# Altium PCB node24.PcbDoc (part 10 of 10) (continued)
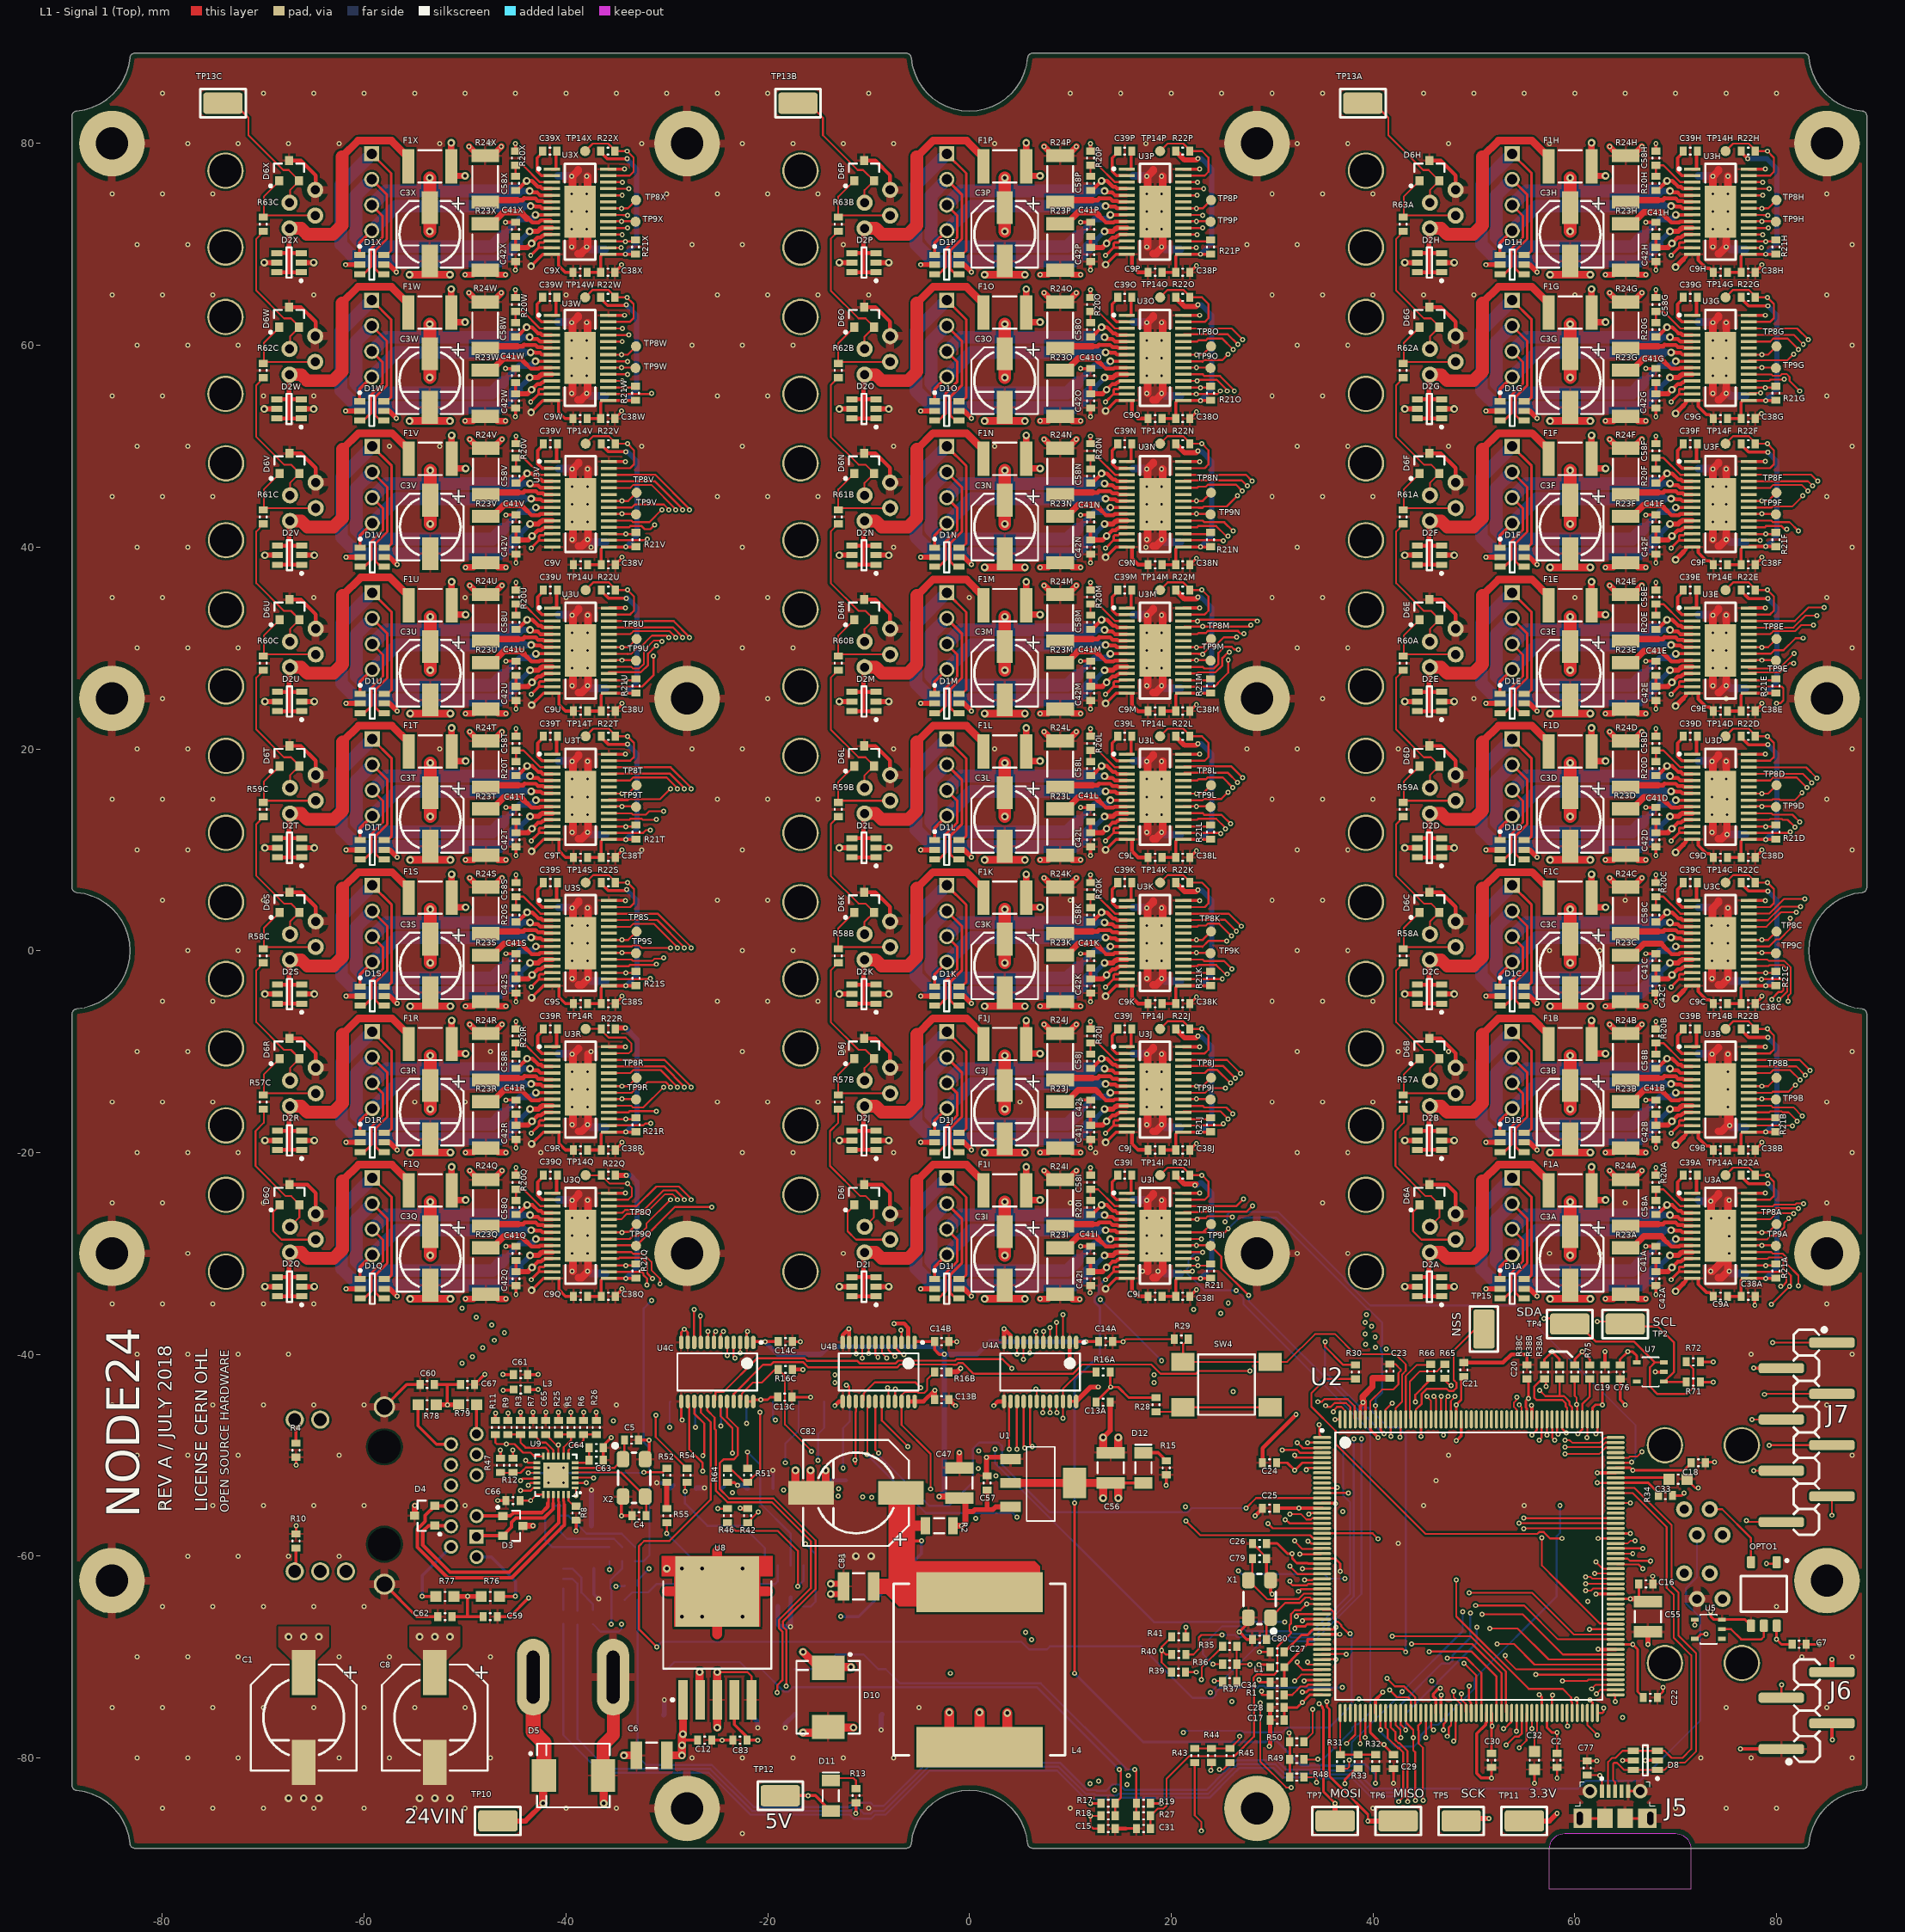
[diagram p0: L1 - Signal 1 (Top) view]
## Nets (pads, with @x,y where several pads share a name; then routed paths per layer and width w, separated by ;. In a path a pad name is that pad's centre, name@x,y a point inside that pad or via, vN(x,y) a via of type N, cw(c..) or ccw(c..) an arc to the next point about the centre after c; other vN are vias at no path point) (continued)
  L1 - Signal 1 (Top) w0.381: C58W.1@-45,60.85 -44.85,60.85 v2(-43.9,61.8) -43.368,61.8 -42.771,61.203 -42.539,61.203 -42.362,61.025 U3W.4@-41.4,61.025 ; C58X.1@-45,75.35 -44.85,75.35 v2(-43.9,76.3) -43.368,76.3 -42.771,75.703 -42.539,75.703 -42.362,75.525 U3X.4@-41.4,75.525 ; C58Q.1@-44.95,-26.15 -44.8,-26.15 v2(-43.85,-25.2) -43.318,-25.2 -42.721,-25.797 -42.489,-25.797 -42.312,-25.975 U3Q.4@-41.35,-25.975 ; C58R.1@-44.95,-11.65 -44.8,-11.65 v2(-43.85,-10.7) -43.318,-10.7 -42.721,-11.297 -42.489,-11.297 -42.312,-11.475 U3R.4@-41.35,-11.475 ; C58S.1@-44.95,2.85 -44.8,2.85 v2(-43.85,3.8) -43.318,3.8 -42.721,3.203 -42.489,3.203 -42.312,3.025 U3S.4@-41.35,3.025 ; C58T.1@-44.95,17.35 -44.8,17.35 v2(-43.85,18.3) -43.318,18.3 -42.721,17.703 -42.489,17.703 -42.312,17.525 U3T.4@-41.35,17.525 ; C58U.1@-44.95,31.85 -44.8,31.85 v2(-43.85,32.8) -43.318,32.8 -42.721,32.203 -42.489,32.203 -42.312,32.025 U3U.4@-41.35,32.025 ; C58V.1@-44.95,46.35 -44.8,46.35 v2(-43.85,47.3) -43.318,47.3 -42.721,46.703 -42.489,46.703 -42.312,46.525 U3V.4@-41.35,46.525 ; v2(-43.404,55.6) -42.829,56.175 -42.524,56.175 -42.354,56.346 -42.274,56.346 -42.144,56.475 U3W.11@-41.4,56.475 ; v2(-43.404,70.1) -42.829,70.675 -42.524,70.675 -42.354,70.846 -42.274,70.846 -42.144,70.975 U3X.11@-41.4,70.975 ; v2(-43.354,-31.4) -42.779,-30.825 -42.474,-30.825 -42.304,-30.654 -42.224,-30.654 -42.094,-30.525 U3Q.11@-41.35,-30.525 ; v2(-43.354,-16.9) -42.779,-16.325 -42.474,-16.325 -42.304,-16.154 -42.224,-16.154 -42.094,-16.025 U3R.11@-41.35,-16.025 ; v2(-43.354,-2.4) -42.779,-1.825 -42.474,-1.825 -42.304,-1.654 -42.224,-1.654 -42.094,-1.525 U3S.11@-41.35,-1.525 ; v2(-43.354,12.1) -42.779,12.675 -42.474,12.675 -42.304,12.846 -42.224,12.846 -42.094,12.975 U3T.11@-41.35,12.975 ; v2(-43.354,26.6) -42.779,27.175 -42.474,27.175 -42.304,27.346 -42.224,27.346 -42.094,27.475 U3U.11@-41.35,27.475 ; v2(-43.354,41.1) -42.779,41.675 -42.474,41.675 -42.304,41.846 -42.224,41.846 -42.094,41.975 U3V.11@-41.35,41.975 ; C58I.1@12,-26.15 12.15,-26.15 v2(13.1,-25.2) 13.632,-25.2 14.229,-25.797 14.461,-25.797 14.638,-25.975 U3I.4@15.6,-25.975 ; C58J.1@12,-11.65 12.15,-11.65 v2(13.1,-10.7) 13.632,-10.7 14.229,-11.297 14.461,-11.297 14.638,-11.475 U3J.4@15.6,-11.475 ; C58K.1@12,2.85 12.15,2.85 v2(13.1,3.8) 13.632,3.8 14.229,3.203 14.461,3.203 14.638,3.025 U3K.4@15.6,3.025 ; C58L.1@12,17.35 12.15,17.35 v2(13.1,18.3) 13.632,18.3 14.229,17.703 14.461,17.703 14.638,17.525 U3L.4@15.6,17.525 ; C58M.1@12,31.85 12.15,31.85 v2(13.1,32.8) 13.632,32.8 14.229,32.203 14.461,32.203 14.638,32.025 U3M.4@15.6,32.025 ; C58N.1@12,46.35 12.15,46.35 v2(13.1,47.3) 13.632,47.3 14.229,46.703 14.461,46.703 14.638,46.525 U3N.4@15.6,46.525 ; C58O.1@12,60.85 12.15,60.85 v2(13.1,61.8) 13.632,61.8 14.229,61.203 14.461,61.203 14.638,61.025 U3O.4@15.6,61.025 ; C58P.1@12,75.35 12.15,75.35 v2(13.1,76.3) 13.632,76.3 14.229,75.703 14.461,75.703 14.638,75.525 U3P.4@15.6,75.525 ; v2(13.596,-31.4) 14.171,-30.825 14.476,-30.825 14.646,-30.654 14.726,-30.654 14.856,-30.525 U3I.11@15.6,-30.525 ; v2(13.596,-16.9) 14.171,-16.325 14.476,-16.325 14.646,-16.154 14.726,-16.154 14.856,-16.025 U3J.11@15.6,-16.025 ; v2(13.596,-2.4) 14.171,-1.825 14.476,-1.825 14.646,-1.654 14.726,-1.654 14.856,-1.525 U3K.11@15.6,-1.525 ; v2(13.596,12.1) 14.171,12.675 14.476,12.675 14.646,12.846 14.726,12.846 14.856,12.975 U3L.11@15.6,12.975 ; v2(13.596,26.6) 14.171,27.175 14.476,27.175 14.646,27.346 14.726,27.346 14.856,27.475 U3M.11@15.6,27.475 ; v2(13.596,41.1) 14.171,41.675 14.476,41.675 14.646,41.846 14.726,41.846 14.856,41.975 U3N.11@15.6,41.975 ; v2(13.596,55.6) 14.171,56.175 14.476,56.175 14.646,56.346 14.726,56.346 14.856,56.475 U3O.11@15.6,56.475 ; v2(13.596,70.1) 14.171,70.675 14.476,70.675 14.646,70.846 14.726,70.846 14.856,70.975 U3P.11@15.6,70.975 ; C58A.1@68.05,-26.15 68.2,-26.15 v2(69.15,-25.2) 69.682,-25.2 70.279,-25.797 70.511,-25.797 70.688,-25.975 U3A.4@71.65,-25.975 ; C58B.1@68.05,-11.65 68.2,-11.65 v2(69.15,-10.7) 69.682,-10.7 70.279,-11.297 70.511,-11.297 70.688,-11.475 U3B.4@71.65,-11.475 ; C58C.1@68.05,2.85 68.2,2.85 v2(69.15,3.8) 69.682,3.8 70.279,3.203 70.511,3.203 70.688,3.025 U3C.4@71.65,3.025 ; C58D.1@68.05,17.35 68.2,17.35 v2(69.15,18.3) 69.682,18.3 70.279,17.703 70.511,17.703 70.688,17.525 U3D.4@71.65,17.525 ; C58E.1@68.05,31.85 68.2,31.85 v2(69.15,32.8) 69.682,32.8 70.279,32.203 70.511,32.203 70.688,32.025 U3E.4@71.65,32.025 ; C58F.1@68.05,46.35 68.2,46.35 v2(69.15,47.3) 69.682,47.3 70.279,46.703 70.511,46.703 70.688,46.525 U3F.4@71.65,46.525 ; C58G.1@68.05,60.85 68.2,60.85 v2(69.15,61.8) 69.682,61.8 70.279,61.203 70.511,61.203 70.688,61.025 U3G.4@71.65,61.025 ; C58H.1@68.05,75.35 68.2,75.35 v2(69.15,76.3) 69.682,76.3 70.279,75.703 70.511,75.703 70.688,75.525 U3H.4@71.65,75.525 ; v2(69.646,-31.4) 70.221,-30.825 70.526,-30.825 70.696,-30.654 70.776,-30.654 70.906,-30.525 U3A.11@71.65,-30.525 ; v2(69.646,-16.9) 70.221,-16.325 70.526,-16.325 70.696,-16.154 70.776,-16.154 70.906,-16.025 U3B.11@71.65,-16.025 ; v2(69.646,-2.4) 70.221,-1.825 70.526,-1.825 70.696,-1.654 70.776,-1.654 70.906,-1.525 U3C.11@71.65,-1.525 ; v2(69.646,12.1) 70.221,12.675 70.526,12.675 70.696,12.846 70.776,12.846 70.906,12.975 U3D.11@71.65,12.975 ; v2(69.646,26.6) 70.221,27.175 70.526,27.175 70.696,27.346 70.776,27.346 70.906,27.475 U3E.11@71.65,27.475 ; v2(69.646,41.1) 70.221,41.675 70.526,41.675 70.696,41.846 70.776,41.846 70.906,41.975 U3F.11@71.65,41.975 ; v2(69.646,55.6) 70.221,56.175 70.526,56.175 70.696,56.346 70.776,56.346 70.906,56.475 U3G.11@71.65,56.475 ; v2(69.646,70.1) 70.221,70.675 70.526,70.675 70.696,70.846 70.776,70.846 70.906,70.975 U3H.11@71.65,70.975
  L1 - Signal 1 (Top) w0.5: TP10.1@-46.75,-86.25 -44,-86.25 v2(-42.25,-84.5)
  L1 - Signal 1 (Top) w0.508: C42W.1@-45,55.2 -43.804,55.2 v2(-43.404,55.6) ; C42X.1@-45,69.7 -43.804,69.7 v2(-43.404,70.1) ; C42Q.1@-44.95,-31.8 -43.754,-31.8 v2(-43.354,-31.4) ; C42R.1@-44.95,-17.3 -43.754,-17.3 v2(-43.354,-16.9) ; C42S.1@-44.95,-2.8 -43.754,-2.8 v2(-43.354,-2.4) ; C42T.1@-44.95,11.7 -43.754,11.7 v2(-43.354,12.1) ; C42U.1@-44.95,26.2 -43.754,26.2 v2(-43.354,26.6) ; C42V.1@-44.95,40.7 -43.754,40.7 v2(-43.354,41.1) ; C42I.1@12,-31.8 13.196,-31.8 v2(13.596,-31.4) ; C42J.1@12,-17.3 13.196,-17.3 v2(13.596,-16.9) ; C42K.1@12,-2.8 13.196,-2.8 v2(13.596,-2.4) ; C42L.1@12,11.7 13.196,11.7 v2(13.596,12.1) ; C42M.1@12,26.2 13.196,26.2 v2(13.596,26.6) ; C42N.1@12,40.7 13.196,40.7 v2(13.596,41.1) ; C42O.1@12,55.2 13.196,55.2 v2(13.596,55.6) ; C42P.1@12,69.7 13.196,69.7 v2(13.596,70.1) ; C42A.1@68.05,-31.8 69.246,-31.8 v2(69.646,-31.4) ; C42B.1@68.05,-17.3 69.246,-17.3 v2(69.646,-16.9) ; C42C.1@68.05,-2.8 69.246,-2.8 v2(69.646,-2.4) ; C42D.1@68.05,11.7 69.246,11.7 v2(69.646,12.1) ; C42E.1@68.05,26.2 69.246,26.2 v2(69.646,26.6) ; C42F.1@68.05,40.7 69.246,40.7 v2(69.646,41.1) ; C42G.1@68.05,55.2 69.246,55.2 v2(69.646,55.6) ; C42H.1@68.05,69.7 69.246,69.7 v2(69.646,70.1)
  L1 - Signal 1 (Top) w0.635: v2(-51.375,65.575) F1W.2@-51.375,63.25 -51.375,62.775 -50.9,62.3 v2(-50,62.3) ; v2(-51.375,80.075) F1X.2@-51.375,77.75 -51.375,77.275 -50.9,76.8 v2(-50,76.8) ; v2(-51.325,-21.425) F1Q.2@-51.325,-23.75 -51.325,-24.225 -50.85,-24.7 v2(-49.95,-24.7) ; v2(-51.325,-6.925) F1R.2@-51.325,-9.25 -51.325,-9.725 -50.85,-10.2 v2(-49.95,-10.2) ; v2(-51.325,7.575) F1S.2@-51.325,5.25 -51.325,4.775 -50.85,4.3 v2(-49.95,4.3) ; v2(-51.325,22.075) F1T.2@-51.325,19.75 -51.325,19.275 -50.85,18.8 v2(-49.95,18.8) ; v2(-51.325,36.575) F1U.2@-51.325,34.25 -51.325,33.775 -50.85,33.3 v2(-49.95,33.3) ; v2(-51.325,51.075) F1V.2@-51.325,48.75 -51.325,48.275 -50.85,47.8 v2(-49.95,47.8) ; v2(5.625,-21.425) F1I.2@5.625,-23.75 5.625,-24.225 6.1,-24.7 v2(7,-24.7) ; v2(5.625,-6.925) F1J.2@5.625,-9.25 5.625,-9.725 6.1,-10.2 v2(7,-10.2) ; v2(5.625,7.575) F1K.2@5.625,5.25 5.625,4.775 6.1,4.3 v2(7,4.3) ; v2(5.625,22.075) F1L.2@5.625,19.75 5.625,19.275 6.1,18.8 v2(7,18.8) ; v2(5.625,36.575) F1M.2@5.625,34.25 5.625,33.775 6.1,33.3 v2(7,33.3) ; v2(5.625,51.075) F1N.2@5.625,48.75 5.625,48.275 6.1,47.8 v2(7,47.8) ; v2(5.625,65.575) F1O.2@5.625,63.25 5.625,62.775 6.1,62.3 v2(7,62.3) ; v2(5.625,80.075) F1P.2@5.625,77.75 5.625,77.275 6.1,76.8 v2(7,76.8) ; v2(61.675,-21.425) F1A.2@61.675,-23.75 61.675,-24.225 62.15,-24.7 v2(63.05,-24.7) ; v2(61.675,-6.925) F1B.2@61.675,-9.25 61.675,-9.725 62.15,-10.2 v2(63.05,-10.2) ; v2(61.675,7.575) F1C.2@61.675,5.25 61.675,4.775 62.15,4.3 v2(63.05,4.3) ; v2(61.675,22.075) F1D.2@61.675,19.75 61.675,19.275 62.15,18.8 v2(63.05,18.8) ; v2(61.675,36.575) F1E.2@61.675,34.25 61.675,33.775 62.15,33.3 v2(63.05,33.3) ; v2(61.675,51.075) F1F.2@61.675,48.75 61.675,48.275 62.15,47.8 v2(63.05,47.8) ; v2(61.675,65.575) F1G.2@61.675,63.25 61.675,62.775 62.15,62.3 v2(63.05,62.3) ; v2(61.675,80.075) F1H.2@61.675,77.75 61.675,77.275 62.15,76.8 v2(63.05,76.8)
  L1 - Signal 1 (Top) w0.8: v2(-42.25,-84.5) -42.25,-81.825 D5.2@-42.175,-81.75 ; C6.1@-29.999,-79.749 C6.1@-29.999,-79.749 v2(-28.501,-79.75) v2(-28.501,-79.75) v2(-28.5,-78.75) -28.5,-78.25 -28.5,-77.75 v2(-28.4,-77.65) U8.1@-28.4,-74.25
  L1 - Signal 1 (Top) w1.27: v2(-53.5,56.8) C3W.1@-53.5,59.15 v2(-53.5,62.1) ; v2(-53.5,71.3) C3X.1@-53.5,73.65 v2(-53.5,76.6) ; v2(-53.45,-30.2) C3Q.1@-53.45,-27.85 v2(-53.45,-24.9) ; v2(-53.45,-15.7) C3R.1@-53.45,-13.35 v2(-53.45,-10.4) ; v2(-53.45,-1.2) C3S.1@-53.45,1.15 v2(-53.45,4.1) ; v2(-53.45,13.3) C3T.1@-53.45,15.65 v2(-53.45,18.6) ; v2(-53.45,27.8) C3U.1@-53.45,30.15 v2(-53.45,33.1) ; v2(-53.45,42.3) C3V.1@-53.45,44.65 v2(-53.45,47.6) ; v2(3.5,-30.2) C3I.1@3.5,-27.85 v2(3.5,-24.9) ; v2(3.5,-15.7) C3J.1@3.5,-13.35 v2(3.5,-10.4) ; v2(3.5,-1.2) C3K.1@3.5,1.15 v2(3.5,4.1) ; v2(3.5,13.3) C3L.1@3.5,15.65 v2(3.5,18.6) ; v2(3.5,27.8) C3M.1@3.5,30.15 v2(3.5,33.1) ; v2(3.5,42.3) C3N.1@3.5,44.65 v2(3.5,47.6) ; v2(3.5,56.8) C3O.1@3.5,59.15 v2(3.5,62.1) ; v2(3.5,71.3) C3P.1@3.5,73.65 v2(3.5,76.6) ; v2(59.55,-30.2) C3A.1@59.55,-27.85 v2(59.55,-24.9) ; v2(59.55,-15.7) C3B.1@59.55,-13.35 v2(59.55,-10.4) ; v2(59.55,-1.2) C3C.1@59.55,1.15 v2(59.55,4.1) ; v2(59.55,13.3) C3D.1@59.55,15.65 v2(59.55,18.6) ; v2(59.55,27.8) C3E.1@59.55,30.15 v2(59.55,33.1) ; v2(59.55,42.3) C3F.1@59.55,44.65 v2(59.55,47.6) ; v2(59.55,56.8) C3G.1@59.55,59.15 v2(59.55,62.1) ; v2(59.55,71.3) C3H.1@59.55,73.65 v2(59.55,76.6)
  L1 - Signal 1 (Top) w1.5: J8.1@-43.25,-72 -43.25,-77.4 -42.175,-78.475 D5.2@-42.175,-81.75
  other v2: -67.5,-68 -66,-68 -64.5,-68 -54.5,-68 -53,-68 -51.5,-68
pads on no net: J1A.MECH J1B.MECH J1C.MECH J1D.MECH J1E.MECH J1F.MECH J1G.MECH J1H.MECH J1I.MECH J1J.MECH J1K.MECH J1L.MECH J1M.MECH J1N.MECH J1O.MECH J1P.MECH J1Q.MECH J1R.MECH J1S.MECH J1T.MECH J1U.MECH J1V.MECH J1W.MECH J1X.MECH J2.7 J4.7 J4.9 J4.10 J4.12 J4.15 J4.MH1 J4.MH2 J5.4 J9.1 J9.4 J9.MECH J10.1 J10.4 J10.MECH U2.9 U2.10 U2.54 U2.55 U2.96 U2.97 U3A.23 U3B.23 U3C.23 U3D.23 U3E.23 U3F.23 U3G.23 U3H.23 U3I.23 U3J.23 U3K.23 U3L.23 U3M.23 U3N.23 U3O.23 U3P.23 U3Q.23 U3R.23 U3S.23 U3T.23 U3U.23 U3V.23 U3W.23 U3X.23 U5.1 U7.5

## Polygon pours and split planes (outlines as drawn)
no net on Bottom Solder "Bottom Solder-No Net" (solid): -41.35,77.75 -35.85,77.75 -35.85,68.75 -41.35,68.75
no net on Bottom Solder "Bottom Solder-No Net" (solid): -41.35,34.25 -35.85,34.25 -35.85,25.25 -41.35,25.25
no net on Bottom Solder "Bottom Solder-No Net" (solid): -41.35,19.75 -35.85,19.75 -35.85,10.75 -41.35,10.75
no net on Bottom Solder "Bottom Solder-No Net" (solid): -41.35,5.25 -35.85,5.25 -35.85,-3.75 -41.35,-3.75
no net on Bottom Solder "Bottom Solder-No Net" (solid): 15.65,-9.25 21.15,-9.25 21.15,-18.25 15.65,-18.25
no net on Bottom Solder "Bottom Solder-No Net" (solid): 15.65,5.25 21.15,5.25 21.15,-3.75 15.65,-3.75
no net on Bottom Solder "Bottom Solder-No Net" (solid): 15.65,48.75 21.15,48.75 21.15,39.75 15.65,39.75
no net on Bottom Solder "Bottom Solder-No Net" (solid): 71.7,-9.25 77.2,-9.25 77.2,-18.25 71.7,-18.25
no net on Bottom Solder "Bottom Solder-No Net" (solid): -41.35,63.25 -35.85,63.25 -35.85,54.25 -41.35,54.25
no net on Bottom Solder "Bottom Solder-No Net" (solid): -41.35,48.75 -35.85,48.75 -35.85,39.75 -41.35,39.75
no net on Bottom Solder "Bottom Solder-No Net" (solid): -41.35,-9.25 -35.85,-9.25 -35.85,-18.25 -41.35,-18.25
no net on Bottom Solder "Bottom Solder-No Net" (solid): -41.35,-23.75 -35.85,-23.75 -35.85,-32.75 -41.35,-32.75
no net on Bottom Solder "Bottom Solder-No Net" (solid): 15.65,-23.75 21.15,-23.75 21.15,-32.75 15.65,-32.75
no net on Bottom Solder "Bottom Solder-No Net" (solid): 15.65,19.75 21.15,19.75 21.15,10.75 15.65,10.75
no net on Bottom Solder "Bottom Solder-No Net" (solid): 15.65,34.25 21.15,34.25 21.15,25.25 15.65,25.25
no net on Bottom Solder "Bottom Solder-No Net" (solid): 15.65,63.25 21.15,63.25 21.15,54.25 15.65,54.25
no net on Bottom Solder "Bottom Solder-No Net" (solid): 15.65,77.75 21.15,77.75 21.15,68.75 15.65,68.75
no net on Bottom Solder "Bottom Solder-No Net" (solid): 71.7,-23.75 77.2,-23.75 77.2,-32.75 71.7,-32.75
no net on Bottom Solder "Bottom Solder-No Net" (solid): 71.7,5.25 77.2,5.25 77.2,-3.75 71.7,-3.75
no net on Bottom Solder "Bottom Solder-No Net" (solid): 71.7,19.75 77.2,19.75 77.2,10.75 71.7,10.75
no net on Bottom Solder "Bottom Solder-No Net" (solid): 71.7,34.25 77.2,34.25 77.2,25.25 71.7,25.25
no net on Bottom Solder "Bottom Solder-No Net" (solid): 71.7,48.75 77.2,48.75 77.2,39.75 71.7,39.75
no net on Bottom Solder "Bottom Solder-No Net" (solid): 71.7,63.25 77.2,63.25 77.2,54.25 71.7,54.25
no net on Bottom Solder "Bottom Solder-No Net" (solid): 71.7,77.75 77.2,77.75 77.2,68.75 71.7,68.75
DGND on L6 - Signal 4 (Bot) "DGND_L06_P115" (solid, remove dead copper, pour order 115): -89,89 89,89 89,-89 -89,-89
DGND on L6 - Signal 4 (Bot) "L6 - Signal 4 (Bot)-PGND 17" (solid, pour order 62): 15.4,78 21.4,78 21.4,68.5 15.4,68.5
DGND on L6 - Signal 4 (Bot) "L6 - Signal 4 (Bot)-PGND 17" (solid, pour order 63): 15.4,5.5 21.4,5.5 21.4,-4 15.4,-4
DGND on L6 - Signal 4 (Bot) "L6 - Signal 4 (Bot)-PGND 1" (solid, pour order 81): -41.55,5.5 -35.55,5.5 -35.55,-4 -41.55,-4
DGND on L6 - Signal 4 (Bot) "L6 - Signal 4 (Bot)-PGND 17" (solid, pour order 64): 15.4,63.5 21.4,63.5 21.4,54 15.4,54
DGND on L6 - Signal 4 (Bot) "L6 - Signal 4 (Bot)-PGND 3" (solid, pour order 80): -41.55,20 -35.55,20 -35.55,10.5 -41.55,10.5
DGND on L6 - Signal 4 (Bot) "L6 - Signal 4 (Bot)-PGND 4" (solid, pour order 79): -41.55,-23.5 -35.55,-23.5 -35.55,-33 -41.55,-33
DGND on L6 - Signal 4 (Bot) "L6 - Signal 4 (Bot)-PGND 17" (solid, pour order 65): 15.4,20 21.4,20 21.4,10.5 15.4,10.5
DGND on L6 - Signal 4 (Bot) "L6 - Signal 4 (Bot)-PGND 17" (solid, pour order 66): 15.4,-23.5 21.4,-23.5 21.4,-33 15.4,-33
DGND on L6 - Signal 4 (Bot) "L6 - Signal 4 (Bot)-PGND 7" (solid, pour order 78): 71.45,49 77.45,49 77.45,39.5 71.45,39.5
DGND on L6 - Signal 4 (Bot) "L6 - Signal 4 (Bot)-PGND 17" (solid, pour order 67): 15.4,-9 21.4,-9 21.4,-18.5 15.4,-18.5
DGND on L6 - Signal 4 (Bot) "L6 - Signal 4 (Bot)-PGND 9" (solid, pour order 77): 71.45,63.5 77.45,63.5 77.45,54 71.45,54
DGND on L6 - Signal 4 (Bot) "L6 - Signal 4 (Bot)-PGND 10" (solid, pour order 76): -41.55,34.5 -35.55,34.5 -35.55,25 -41.55,25
DGND on L6 - Signal 4 (Bot) "L6 - Signal 4 (Bot)-PGND 23" (solid, pour order 58): -41.6,78 -35.6,78 -35.6,68.5 -41.6,68.5
DGND on L6 - Signal 4 (Bot) "L6 - Signal 4 (Bot)-PGND 11" (solid, pour order 75): 71.45,34.5 77.45,34.5 77.45,25 71.45,25
DGND on L6 - Signal 4 (Bot) "L6 - Signal 4 (Bot)-PGND 12" (solid, pour order 74): -41.55,-9 -35.55,-9 -35.55,-18.5 -41.55,-18.5
DGND on L6 - Signal 4 (Bot) "L6 - Signal 4 (Bot)-PGND 13" (solid, pour order 73): 71.45,-9 77.45,-9 77.45,-18.5 71.45,-18.5
DGND on L6 - Signal 4 (Bot) "L6 - Signal 4 (Bot)-PGND 14" (solid, pour order 72): 71.45,-23.5 77.45,-23.5 77.45,-33 71.45,-33
DGND on L6 - Signal 4 (Bot) "L6 - Signal 4 (Bot)-PGND 15" (solid, pour order 71): 71.45,20 77.45,20 77.45,10.5 71.45,10.5
DGND on L6 - Signal 4 (Bot) "L6 - Signal 4 (Bot)-PGND 16" (solid, pour order 70): -41.6,63.5 -35.6,63.5 -35.6,54 -41.6,54
DGND on L6 - Signal 4 (Bot) "L6 - Signal 4 (Bot)-PGND 17" (solid, pour order 68): 15.4,34.5 21.4,34.5 21.4,25 15.4,25
DGND on L6 - Signal 4 (Bot) "L6 - Signal 4 (Bot)-PGND 19" (solid, pour order 61): 71.45,78 77.45,78 77.45,68.5 71.45,68.5
DGND on L6 - Signal 4 (Bot) "L6 - Signal 4 (Bot)-PGND 20" (solid, pour order 60): 71.45,5.5 77.45,5.5 77.45,-4 71.45,-4
DGND on L6 - Signal 4 (Bot) "L6 - Signal 4 (Bot)-PGND 21" (solid, pour order 59): -41.55,49 -35.55,49 -35.55,39.5 -41.55,39.5
DGND on L6 - Signal 4 (Bot) "L6 - Signal 4 (Bot)-PGND 17" (solid, pour order 69): 15.4,49 21.4,49 21.4,39.5 15.4,39.5
DGND on L1 - Signal 1 (Top) "DGND_L01_P117" (solid, remove dead copper, pour order 117): -89,89 89,89 89,-89 -89,-89
VIN24 on L1 - Signal 1 (Top) "VIN24_L01_P111" (solid, remove dead copper, pour order 111): -55.5,-67 -50.5,-67 -50.5,-69 -52.5,-71 -53.5,-71 -55.5,-69
VIN24 on L1 - Signal 1 (Top) "VIN24_L01_P113" (solid, remove dead copper, pour order 113): -68.5,-67 -63.5,-67 -63.5,-69 -65.5,-71 -66.5,-71 -68.5,-69
DGND on L1 - Signal 1 (Top) "L1 - Signal 1 (Top)-PGND 17" (solid, pour order 86): 16.8,78 20,78 20,68.5 16.8,68.5
DGND on L1 - Signal 1 (Top) "L1 - Signal 1 (Top)-PGND 17" (solid, pour order 87): 16.8,5.5 20,5.5 20,-4 16.8,-4
DGND on L1 - Signal 1 (Top) "L1 - Signal 1 (Top)-PGND 1" (solid, pour order 105): -40.15,5.5 -36.95,5.5 -36.95,-4 -40.15,-4
DGND on L1 - Signal 1 (Top) "L1 - Signal 1 (Top)-PGND 17" (solid, pour order 88): 16.8,63.5 20,63.5 20,54 16.8,54
DGND on L1 - Signal 1 (Top) "L1 - Signal 1 (Top)-PGND 3" (solid, pour order 104): -40.15,20 -36.95,20 -36.95,10.5 -40.15,10.5
DGND on L1 - Signal 1 (Top) "L1 - Signal 1 (Top)-PGND 4" (solid, pour order 103): -40.15,-23.5 -36.95,-23.5 -36.95,-33 -40.15,-33
DGND on L1 - Signal 1 (Top) "L1 - Signal 1 (Top)-PGND 17" (solid, pour order 89): 16.8,20 20,20 20,10.5 16.8,10.5
DGND on L1 - Signal 1 (Top) "L1 - Signal 1 (Top)-PGND 17" (solid, pour order 90): 16.8,-23.5 20,-23.5 20,-33 16.8,-33
DGND on L1 - Signal 1 (Top) "L1 - Signal 1 (Top)-PGND 7" (solid, pour order 102): 72.85,49 76.05,49 76.05,39.5 72.85,39.5
DGND on L1 - Signal 1 (Top) "L1 - Signal 1 (Top)-PGND 17" (solid, pour order 91): 16.8,-9 20,-9 20,-18.5 16.8,-18.5
DGND on L1 - Signal 1 (Top) "L1 - Signal 1 (Top)-PGND 9" (solid, pour order 101): 72.85,63.5 76.05,63.5 76.05,54 72.85,54
DGND on L1 - Signal 1 (Top) "L1 - Signal 1 (Top)-PGND 10" (solid, pour order 100): -40.15,34.5 -36.95,34.5 -36.95,25 -40.15,25
DGND on L1 - Signal 1 (Top) "L1 - Signal 1 (Top)-PGND 23" (solid, pour order 82): -40.2,78 -37,78 -37,68.5 -40.2,68.5
DGND on L1 - Signal 1 (Top) "L1 - Signal 1 (Top)-PGND 11" (solid, pour order 99): 72.85,34.5 76.05,34.5 76.05,25 72.85,25
DGND on L1 - Signal 1 (Top) "L1 - Signal 1 (Top)-PGND 12" (solid, pour order 98): -40.15,-9 -36.95,-9 -36.95,-18.5 -40.15,-18.5
DGND on L1 - Signal 1 (Top) "L1 - Signal 1 (Top)-PGND 13" (solid, pour order 97): 72.85,-9 76.05,-9 76.05,-18.5 72.85,-18.5
DGND on L1 - Signal 1 (Top) "L1 - Signal 1 (Top)-PGND 14" (solid, pour order 96): 72.85,-23.5 76.05,-23.5 76.05,-33 72.85,-33
DGND on L1 - Signal 1 (Top) "L1 - Signal 1 (Top)-PGND 15" (solid, pour order 95): 72.85,20 76.05,20 76.05,10.5 72.85,10.5
DGND on L1 - Signal 1 (Top) "L1 - Signal 1 (Top)-PGND 16" (solid, pour order 94): -40.2,63.5 -37,63.5 -37,54 -40.2,54
DGND on L1 - Signal 1 (Top) "L1 - Signal 1 (Top)-PGND 17" (solid, pour order 92): 16.8,34.5 20,34.5 20,25 16.8,25
DGND on L1 - Signal 1 (Top) "L1 - Signal 1 (Top)-PGND 19" (solid, pour order 85): 72.85,78 76.05,78 76.05,68.5 72.85,68.5
DGND on L1 - Signal 1 (Top) "L1 - Signal 1 (Top)-PGND 20" (solid, pour order 84): 72.85,5.5 76.05,5.5 76.05,-4 72.85,-4
DGND on L1 - Signal 1 (Top) "L1 - Signal 1 (Top)-PGND 21" (solid, pour order 83): -40.15,49 -36.95,49 -36.95,39.5 -40.15,39.5
DGND on L1 - Signal 1 (Top) "L1 - Signal 1 (Top)-PGND 17" (solid, pour order 93): 16.8,49 20,49 20,39.5 16.8,39.5
no net on Bottom Overlay "Bottom Overlay-No Net" (solid): 64.82,-63.5
no net on Mechanical 3 "Mechanical 3-No Net" (hatched Horizontal grid 0.508 track 0.203): -83.22,-88.557 cw(c-82.791,-88.454)
no net on Mechanical 3 "Mechanical 3-No Net" (hatched Horizontal grid 0.508 track 0.203): -83.22,-88.557 cw(c-82.791,-88.454)
DGND on L2 - Signal 2 "DGND_L02_P119" (solid, remove dead copper, pour order 119): -89,89 89,89 89,-89 -89,-89
DGND on L5 - Signal 3 "DGND_L05_P121" (solid, remove dead copper, pour order 121): -89,89.095 89,89.095 89,-88.905 -89,-88.905
DGND on L3 - Ground (split plane): 476 vertices, not listed, extent -88.448,-88.448 88.448,88.448
P3V3-L-ETH on L4 - Power (split plane): -44.756,-38 -44.756,-40.5 -44.756,-44.244 -47.5,-44.244 -47.566,-44.253 -47.628,-44.278 -47.681,-44.319 -47.722,-44.372 -47.747,-44.434 -47.756,-44.5 -47.756,-53.25 -47.747,-53.316 -47.722,-53.378 -47.681,-53.431 -47.628,-53.472 -47.566,-53.497 -47.5,-53.506 -42.756,-53.506 -42.756,-64.994 -55.494,-64.994 -55.494,-36.506 -44.756,-36.506
P3V3 on L4 - Power (split plane): 88.448,-82.709 88.447,-82.722 88.42,-82.726 88.417,-82.726 88.414,-82.727 87.617,-82.853 87.582,-82.862 87.547,-82.869 86.775,-83.105 86.742,-83.119 86.708,-83.131 85.976,-83.472 85.946,-83.49 85.914,-83.507 85.236,-83.947 85.209,-83.969 85.18,-83.99 84.57,-84.52 84.546,-84.546 84.52,-84.57 83.99,-85.18 83.969,-85.209 83.947,-85.237 83.507,-85.914 83.49,-85.946 83.472,-85.976 83.131,-86.708 83.119,-86.742 83.105,-86.775 82.869,-87.547 82.862,-87.582 82.853,-87.617 82.727,-88.415 82.726,-88.417 82.726,-88.42 82.722,-88.447 82.709,-88.448 71.939,-88.448 71.934,-88.434 71.914,-88.367 71.801,-88.094 71.754,-88.006 71.59,-87.76 71.561,-87.725 71.526,-87.683 71.317,-87.474 71.275,-87.439 71.24,-87.41 70.994,-87.246 70.906,-87.199 70.633,-87.086 70.537,-87.057 70.247,-86.999 70.148,-86.99 58.852,-86.99 58.753,-86.999 58.463,-87.057 58.434,-87.066 58.367,-87.086 58.094,-87.199 58.006,-87.246 57.76,-87.41 57.725,-87.439 57.683,-87.474 57.474,-87.683 57.439,-87.725 57.41,-87.76 57.246,-88.006 57.199,-88.094 57.086,-88.367 57.077,-88.396 57.061,-88.448 11.506,-88.448 11.506,-59 11.497,-58.934 11.472,-58.872 11.431,-58.819 11.378,-58.778 11.316,-58.753 11.25,-58.744 -32,-58.744 -32.066,-58.753 -32.128,-58.778 -32.181,-58.819 -32.222,-58.872 -32.247,-58.934 -32.256,-59 -32.256,-64.994 -42.244,-64.994 -42.244,-53.25 -42.253,-53.184 -42.278,-53.122 -42.319,-53.069 -42.372,-53.028 -42.434,-53.003 -42.5,-52.994 -47.244,-52.994 -47.244,-44.756 -44.5,-44.756 -44.434,-44.747 -44.372,-44.722 -44.319,-44.681 -44.278,-44.628 -44.253,-44.566 -44.244,-44.5 -44.244,-40.5 -44.244,-38 -44.244,-36.506 88.448,-36.506
VIN24 on L4 - Power (split plane): 425 vertices, not listed, extent -88.448,-88.448 88.448,88.448

## Other copper
L1 - Signal 1 (Top):
  region net REG5-FB: -9.5,-63.75 -8.25,-63.75 -7,-65 7,-65 7,-61 6.5,-60.5 -2.5,-60.5 -5.426,-60.5 -5.426,-57.5 -4.5,-57.5 -4.5,-56.5 -5.426,-56.5 -5.426,-54.5 -8,-54.5 -8,-62.25 -9.5,-62.25
L2 - Signal 2:
  pour cut-out: -57.5,-54.1 -41.5,-54.1 -41.5,-63.6 -57.5,-63.6
L4 - Power (plane layer: these items are gaps in the copper):
  region: 6.153,-87.645
  region: 7.874,-86.995 7.747,-86.995 7.747,-86.233 7.366,-86.614 7.65,-86.614
  region: 7.239,-92.075
  lines w0.508: -44.5,-65.25 -42.5,-65.25 -42.5,-53.25 -47.5,-53.25 -47.5,-44.5 -44.5,-44.5 -44.5,-40.5 -44.5,-38 -44.5,-36.5 ; 11.25,-88.959 11.25,-59 -12.75,-59 -20.25,-59 -32,-59 -32,-65.25 -55.75,-65.25 -55.75,-36.25 88.5,-36.25

## Silkscreen, mask and mechanical layers (free items; w line width, h text height)
Top Overlay:
  lines w0.254: 57.5,-39.75 59.25,-39.75 59.75,-40.25
  text "SDA" at 54.25,-36.5 h1.5
  text "SCL" at 67.75,-37.5 h1.5
  text "NSS" at 49,-38.25 h1.5 r90
  text "REV A / JULY 2018" at -78.6,-55.6 h2.29 r90
  text "LICENSE CERN OHL" at -75.1,-55.6 h2.08 r90
  text "OPEN SOURCE HARDWARE" at -73.1,-55.7 h1.5 r90
  text "NODE24" at -81.2,-56.2 h5.59 r90
  text "MOSI" at 35.75,-84.25 h1.5
  text "MISO" at 42,-84.25 h1.5
  text "SCK" at 48.75,-84.25 h1.5
  text "3.3V" at 55.5,-84.25 h1.5
  text "24VIN" at -56,-87 h2.5
  text "5V" at -20.25,-87.5 h2.5
Bottom Overlay:
  lines w0.508: -5.75,-41.27 ccw(c-7.02,-41.27) -7.02,-40 -42,-40 -76.48,-40 ccw(c-76.48,-41.27) -77.75,-41.27 -77.75,-78.73 ccw(c-76.48,-78.73) -76.48,-80 -7.02,-80 ccw(c-7.02,-78.73) -5.75,-78.73 -5.75,-41 ; 81.11,-41.27 ccw(c79.84,-41.27) 79.84,-40 65.74,-40 ccw(c65.74,-41.27) 64.47,-41.27 64.47,-78.73 ccw(c65.74,-78.73) 65.74,-80 79.84,-80 ccw(c79.84,-78.73) 81.11,-78.73 81.11,-41 ; -80.75,-34.73 ccw(c-79.48,-34.73) -79.48,-36 -55.77,-36 ccw(c-55.77,-34.73) -54.5,-34.73 -54.5,80.23 ccw(c-55.77,80.23) -55.77,81.5 -77.75,81.5 -79.48,81.5 ccw(c-79.48,80.23) -80.75,80.23 -80.75,-34.73 ; -23.75,-34.73 ccw(c-22.48,-34.73) -22.48,-36 1.23,-36 ccw(c1.23,-34.73) 2.5,-34.73 2.5,80.23 ccw(c1.23,80.23) 1.23,81.5 -20.75,81.5 -22.48,81.5 ccw(c-22.48,80.23) -23.75,80.23 -23.75,-34.73 ; 32.3,-34.73 ccw(c33.57,-34.73) 33.57,-36 57.28,-36 ccw(c57.28,-34.73) 58.55,-34.73 58.55,80.23 ccw(c57.28,80.23) 57.28,81.5 35.3,81.5 33.57,81.5 ccw(c33.57,80.23) 32.3,80.23 32.3,-34.73
  text "CH. A-7" at 55.75,72.25 h2.03 r270
  text "B+" at 56.75,64.125 h1.27
  text "B-" at 56.75,61.5 h1.27
  text "A+" at 56.75,59 h1.27
  text "A-" at 56.75,56.5 h1.27
  text "CH. A-0" at 56,-29.5 h2.03 r270
  text "SYNC-IN" at 77.5,-42.25 h2.54
  text "CONFIG" at -6.75,-44.75 h2.54 r90
  text "STATUS" at -34.671,-50.927 h2.54
  text "JTAG" at -6.75,-59 h2.54 r90
  text "ETHERNET" at -75,-59.25 h2.54 r270
  text "24VDC" at -75,-75.5 h2.54 r270
  text "USER-BTN" at -20.25,-79 h2.54
  text "MCU-RST" at -7.95,-79 h2.54
  text "SYNC-OUT" at 78.75,-79.5 h2.54
Bottom Solder:
  pour cut-out: 6.5,94
Mechanical 3:
  drawing of 1895 lines, arcs and shapes, not listed
  text "CUTOUT FOR BOTTOMSIDE COMPONENTS" at -77.5,-35 h3 r90
  text "CUTOUT FOR BOTTOMSIDE COMPONENTS" at -20,-35 h3 r90
  text "CUTOUT FOR BOTTOMSIDE COMPONENTS" at 35,-35 h3 r90
  text "CUTOUT FOR BOTTOMSIDE COMPONENTS" at -67.5,-42.5 h3
  text "BOTTOMSIDE CONTACT REGION, DO NOT PLACE COMPONENTS HERE" at 2.5,-60 h3
  text "CUTOUT FOR BOTTOMSIDE COMPONENTS" at 70,-77.5 h3 r90

## Text inside footprints (layer, text, board x,y; h text height)
C1: Top Overlay "+" at -62,-70.7 h1.52 r270
C3A: Top Overlay "+" at 61.75,-26.6 h1.52 r270
C3B: Top Overlay "+" at 61.75,-12.1 h1.52 r270
C3C: Top Overlay "+" at 61.75,2.4 h1.52 r270
C3D: Top Overlay "+" at 61.75,16.9 h1.52 r270
C3E: Top Overlay "+" at 61.75,31.4 h1.52 r270
C3F: Top Overlay "+" at 61.75,45.9 h1.52 r270
C3G: Top Overlay "+" at 61.75,60.4 h1.52 r270
C3H: Top Overlay "+" at 61.75,74.9 h1.52 r270
C3I: Top Overlay "+" at 5.7,-26.6 h1.52 r270
C3J: Top Overlay "+" at 5.7,-12.1 h1.52 r270
C3K: Top Overlay "+" at 5.7,2.4 h1.52 r270
C3L: Top Overlay "+" at 5.7,16.9 h1.52 r270
C3M: Top Overlay "+" at 5.7,31.4 h1.52 r270
C3N: Top Overlay "+" at 5.7,45.9 h1.52 r270
C3O: Top Overlay "+" at 5.7,60.4 h1.52 r270
C3P: Top Overlay "+" at 5.7,74.9 h1.52 r270
C3Q: Top Overlay "+" at -51.25,-26.6 h1.52 r270
C3R: Top Overlay "+" at -51.25,-12.1 h1.52 r270
C3S: Top Overlay "+" at -51.25,2.4 h1.52 r270
C3T: Top Overlay "+" at -51.25,16.9 h1.52 r270
C3U: Top Overlay "+" at -51.25,31.4 h1.52 r270
C3V: Top Overlay "+" at -51.25,45.9 h1.52 r270
C3W: Top Overlay "+" at -51.3,60.4 h1.52 r270
C3X: Top Overlay "+" at -51.3,74.9 h1.52 r270
C8: Top Overlay "+" at -49,-70.7 h1.52 r270
C82: Top Overlay "+" at -5.95,-57.75 h1.52 r180
J5: Mechanical 1 "Board edge" at 69.588,-87.305 h0.2